# KiCad board panel.opm-inline.kicad_pcb (continued)
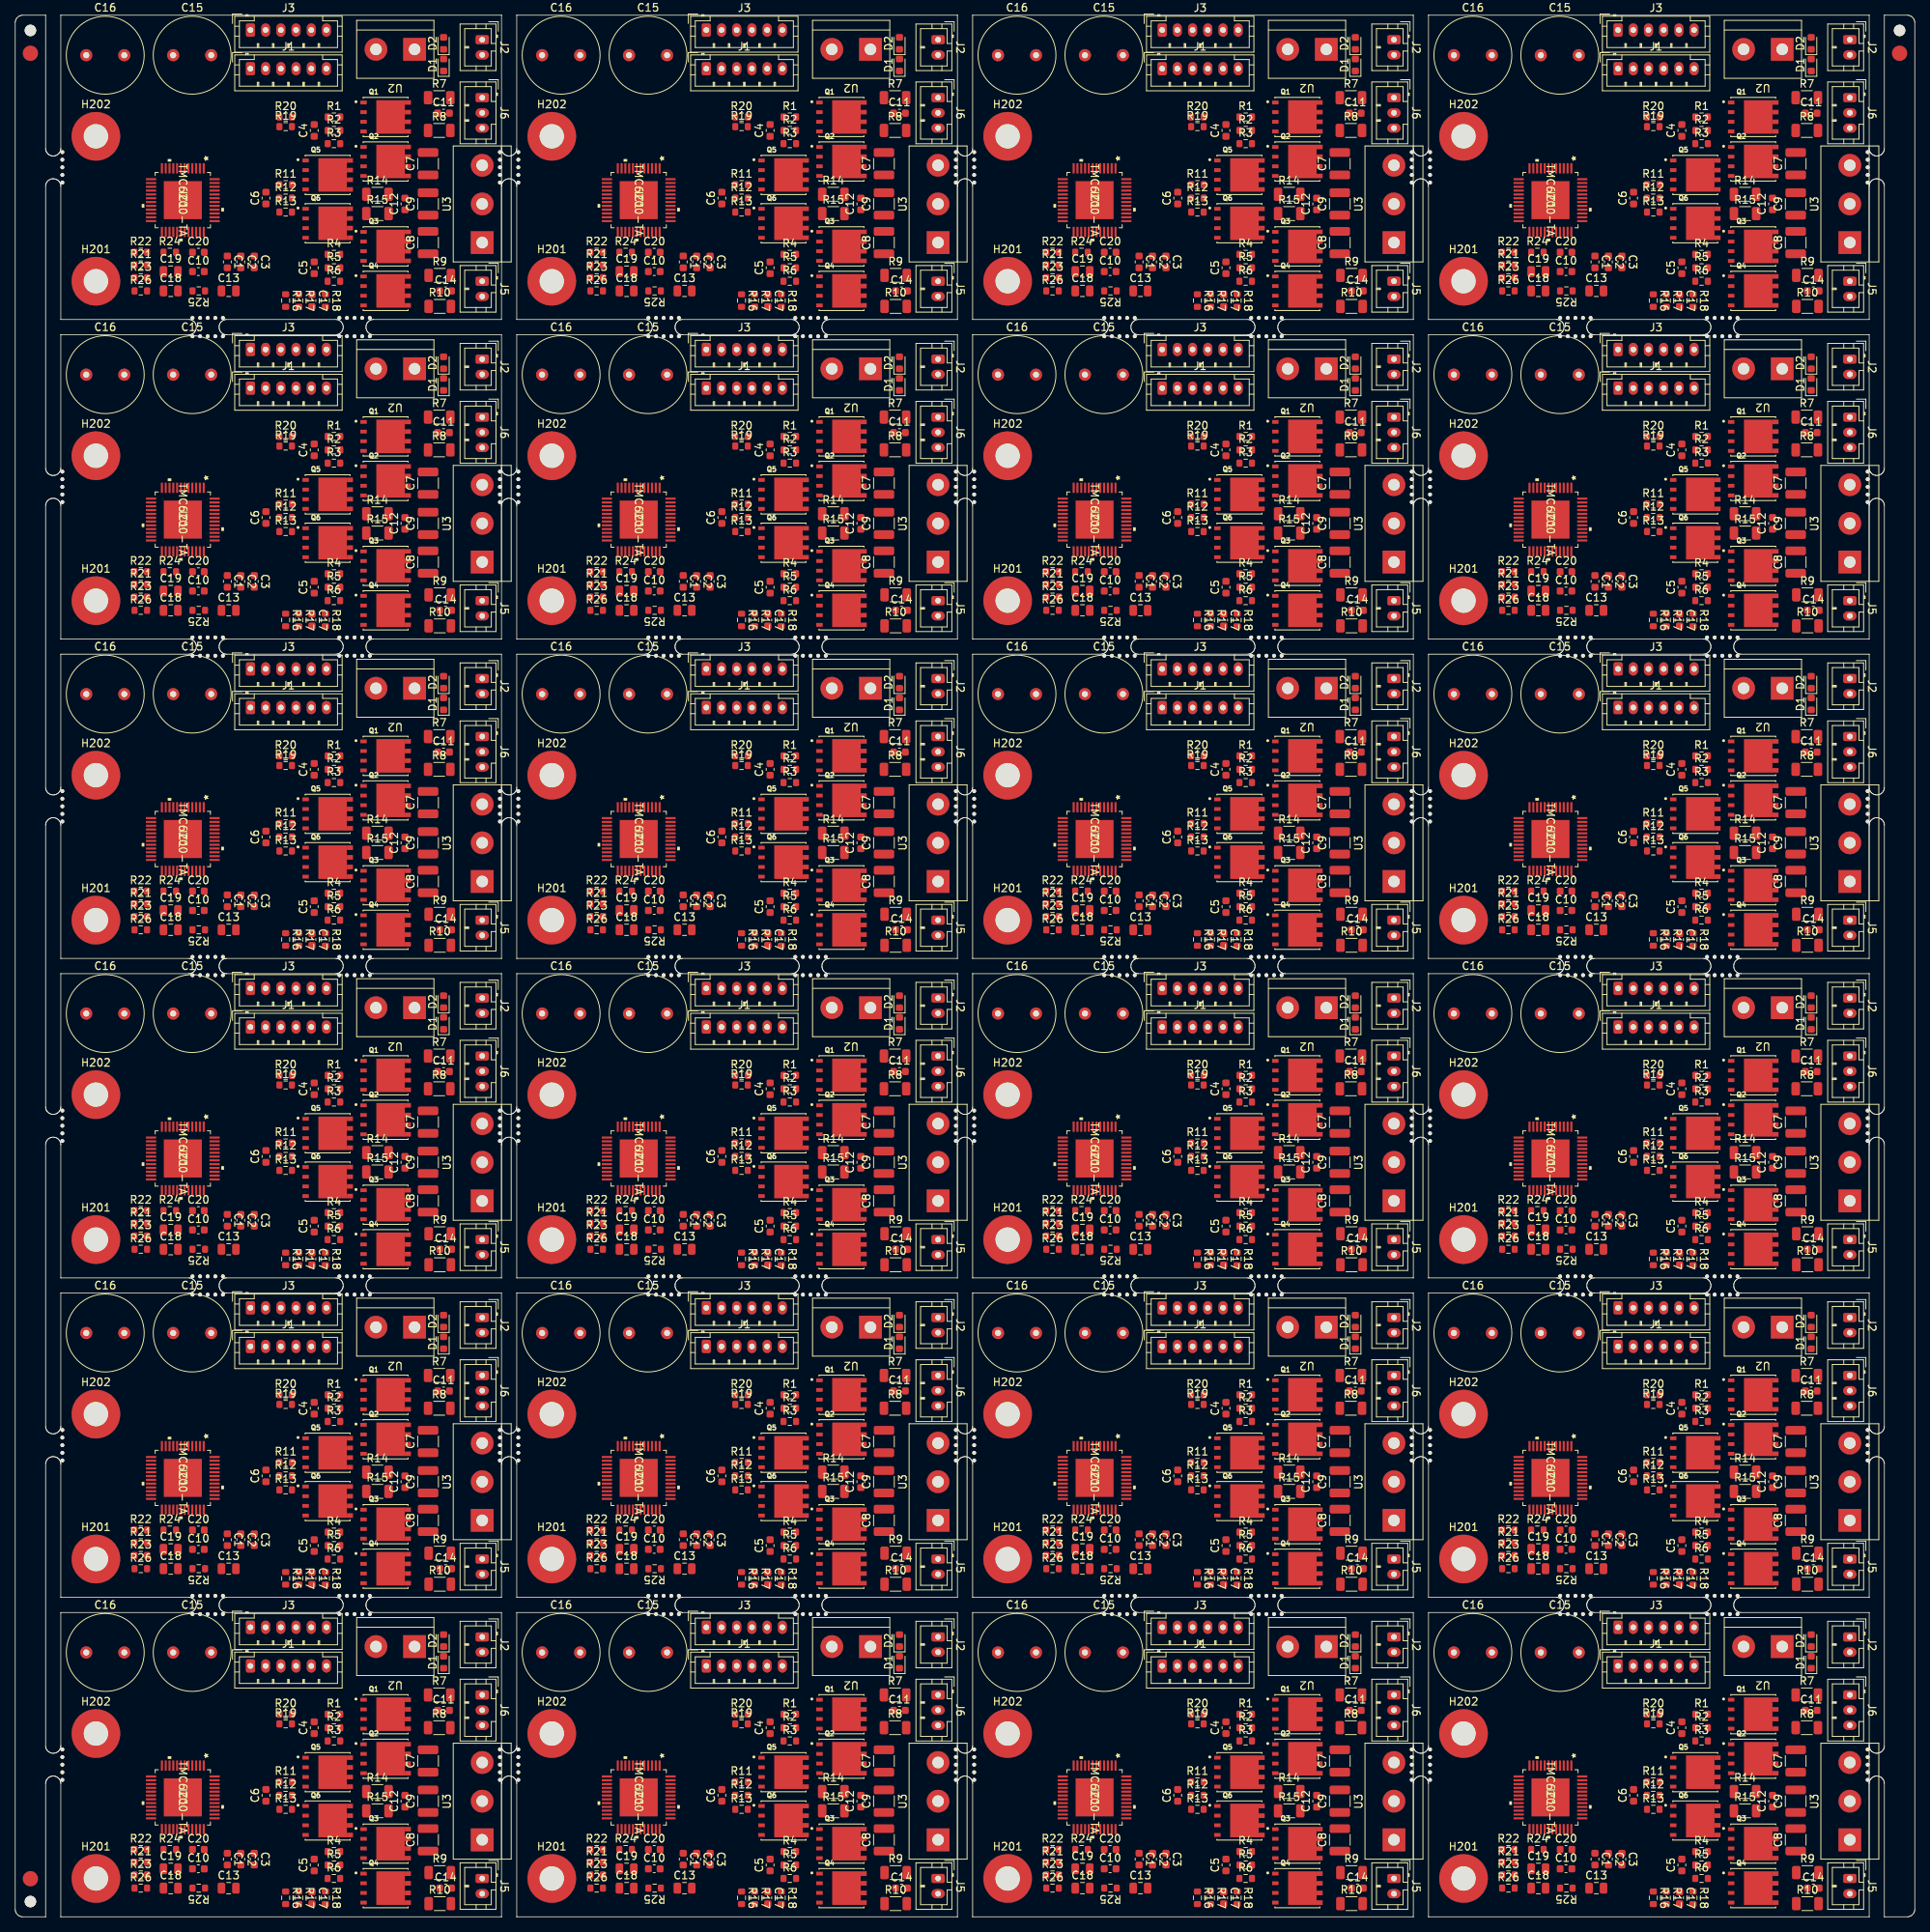
[diagram p0: board, top side]
## Nets (continued)
Board_7-Net-(Q3-Pad4): Q3#8.4 R4#8.1
Board_7-Net-(Q4-Pad4): Q4#8.4 R6#8.1
Board_7-Net-(Q5-Pad4): Q5#8.4 R11#8.1
Board_7-Net-(Q6-Pad4): Q6#8.4 R13#8.1
Board_7-Net-(R2-Pad1): R2#8.1 R7#8.1 R8#8.1
Board_7-Net-(R10-Pad1): R5#8.1 R9#8.1 R10#8.1
Board_7-Net-(R12-Pad1): R12#8.1 R14#8.1 R15#8.1
Board_7-Net-(R16-Pad1): R16#8.1
Board_7-Net-(R16-Pad2): R16#8.2 R17#8.1
Board_8-/+VM: C2#9.1 C3#9.1 C7#9.1 C8#9.1 C9#9.1 C15#9.1 C16#9.1 IC1#9.33 Q1#9.1 Q1#9.2 Q1#9.3 Q3#9.1 Q3#9.2 Q3#9.3 Q5#9.1 Q5#9.2 Q5#9.3 R25#9.2 U2#9.2
Board_8-/ADC_I_u: IC1#9.9 J6#9.1
Board_8-/ADC_I_v: J6#9.2
Board_8-/ADC_I_w: IC1#9.11 J6#9.3
Board_8-/Connevtors/Fault: R20#9.2
Board_8-/Connevtors/FAULT: J1#9.6
Board_8-/Connevtors/VOFS: R21#9.2 R22#9.1
Board_8-/DRV_EN: IC1#9.27 J1#9.5
Board_8-/Motor Driver/ADC_I_v: IC1#9.10
Board_8-/Motor Driver/VOFS: C10#9.1 IC1#9.12
Board_8-/SPE: IC1#9.25 R23#9.2 R24#9.1
Board_8-/SPI1_MISO: IC1#9.16 J1#9.4
Board_8-/SPI1_MOSI: IC1#9.15 J1#9.3
Board_8-/SPI1_SCK: IC1#9.14 J1#9.2
Board_8-/U: C14#9.1 U3#9.3
Board_8-/UH: IC1#9.17 J3#9.6
Board_8-/UL: IC1#9.18 J3#9.5
Board_8-/V: C12#9.1 U3#9.2
Board_8-/VH: IC1#9.20 J3#9.4
Board_8-/VL: IC1#9.21 J3#9.3
Board_8-/VSA: C18#9.1 IC1#9.29
Board_8-/W: C11#9.1 U3#9.1
Board_8-/WH: IC1#9.22 J3#9.2
Board_8-/WL: IC1#9.23 J3#9.1
Board_8-/~{CS_DRIVER}: IC1#9.13 J1#9.1
Board_8-GND: C3#9.2 C7#9.2 C8#9.2 C9#9.2 C10#9.2 C11#9.2 C12#9.2 C13#9.2 C14#9.2 C15#9.2 C16#9.2 C17#9.2 C18#9.2 C19#9.2 C20#9.2 D1#9.1 D2#9.1 H201#9.1 H202#9.1 IC1#9.8 IC1#9.EPAD J2#9.2 J5#9.2 Q2#9.5 Q2#9.6 Q2#9.7 Q2#9.8 Q4#9.5 Q4#9.6 Q4#9.7 Q4#9.8 Q6#9.5 Q6#9.6 Q6#9.7 Q6#9.8 R18#9.2 R22#9.2 R24#9.2 R26#9.2 U2#9.1
Board_8-Net-(C1-Pad1): C1#9.1 IC1#9.30
Board_8-Net-(C1-Pad2): C1#9.2 IC1#9.32
Board_8-Net-(C2-Pad2): C2#9.2 IC1#9.34
Board_8-Net-(C4-Pad1): C4#9.1 IC1#9.47 Q1#9.5 Q1#9.6 Q1#9.7 Q1#9.8 Q2#9.1 Q2#9.2 Q2#9.3 R7#9.2 R8#9.2
Board_8-Net-(C4-Pad2): C4#9.2 IC1#9.1
Board_8-Net-(C5-Pad1): C5#9.1 IC1#9.36
Board_8-Net-(C5-Pad2): C5#9.2 IC1#9.38 Q3#9.5 Q3#9.6 Q3#9.7 Q3#9.8 Q4#9.1 Q4#9.2 Q4#9.3 R9#9.2 R10#9.2
Board_8-Net-(C6-Pad1): C6#9.1 IC1#9.42 Q5#9.5 Q5#9.6 Q5#9.7 Q5#9.8 Q6#9.1 Q6#9.2 Q6#9.3 R14#9.2 R15#9.2
Board_8-Net-(C6-Pad2): C6#9.2 IC1#9.44
Board_8-Net-(C17-Pad1): C17#9.1 J5#9.1 R17#9.2 R18#9.1
Board_8-Net-(D1-Pad2): D1#9.2 R19#9.1
Board_8-Net-(D2-Pad2): D2#9.2 R20#9.1
Board_8-Net-(IC1-Pad3): IC1#9.3 R6#9.2
Board_8-Net-(IC1-Pad4): IC1#9.4 R13#9.2
Board_8-Net-(IC1-Pad5): IC1#9.5 R3#9.2
Board_8-Net-(IC1-Pad24): IC1#9.24 R26#9.1
Board_8-Net-(IC1-Pad26): IC1#9.26
Board_8-Net-(IC1-Pad37): IC1#9.37 R4#9.2
Board_8-Net-(IC1-Pad39): IC1#9.39 R5#9.2
Board_8-Net-(IC1-Pad41): IC1#9.41 R12#9.2
Board_8-Net-(IC1-Pad43): IC1#9.43 R11#9.2
Board_8-Net-(IC1-Pad46): IC1#9.46 R2#9.2
Board_8-Net-(IC1-Pad48): IC1#9.48 R1#9.2
Board_8-Net-(Q1-Pad4): Q1#9.4 R1#9.1
Board_8-Net-(Q2-Pad4): Q2#9.4 R3#9.1
Board_8-Net-(Q3-Pad4): Q3#9.4 R4#9.1
Board_8-Net-(Q4-Pad4): Q4#9.4 R6#9.1
Board_8-Net-(Q5-Pad4): Q5#9.4 R11#9.1
Board_8-Net-(Q6-Pad4): Q6#9.4 R13#9.1
Board_8-Net-(R2-Pad1): R2#9.1 R7#9.1 R8#9.1
Board_8-Net-(R10-Pad1): R5#9.1 R9#9.1 R10#9.1
Board_8-Net-(R12-Pad1): R12#9.1 R14#9.1 R15#9.1
Board_8-Net-(R16-Pad1): R16#9.1
Board_8-Net-(R16-Pad2): R16#9.2 R17#9.1
Board_9-/+VM: C2#10.1 C3#10.1 C7#10.1 C8#10.1 C9#10.1 C15#10.1 C16#10.1 IC1#10.33 Q1#10.1 Q1#10.2 Q1#10.3 Q3#10.1 Q3#10.2 Q3#10.3 Q5#10.1 Q5#10.2 Q5#10.3 R25#10.2 U2#10.2
Board_9-/ADC_I_u: IC1#10.9 J6#10.1
Board_9-/ADC_I_v: J6#10.2
Board_9-/ADC_I_w: IC1#10.11 J6#10.3
Board_9-/Connevtors/Fault: R20#10.2
Board_9-/Connevtors/FAULT: J1#10.6
Board_9-/Connevtors/VOFS: R21#10.2 R22#10.1
Board_9-/DRV_EN: IC1#10.27 J1#10.5
Board_9-/Motor Driver/ADC_I_v: IC1#10.10
Board_9-/Motor Driver/VOFS: C10#10.1 IC1#10.12
Board_9-/SPE: IC1#10.25 R23#10.2 R24#10.1
Board_9-/SPI1_MISO: IC1#10.16 J1#10.4
Board_9-/SPI1_MOSI: IC1#10.15 J1#10.3
Board_9-/SPI1_SCK: IC1#10.14 J1#10.2
Board_9-/U: C14#10.1 U3#10.3
Board_9-/UH: IC1#10.17 J3#10.6
Board_9-/UL: IC1#10.18 J3#10.5
Board_9-/V: C12#10.1 U3#10.2
Board_9-/VH: IC1#10.20 J3#10.4
Board_9-/VL: IC1#10.21 J3#10.3
Board_9-/VSA: C18#10.1 IC1#10.29
Board_9-/W: C11#10.1 U3#10.1
Board_9-/WH: IC1#10.22 J3#10.2
Board_9-/WL: IC1#10.23 J3#10.1
Board_9-/~{CS_DRIVER}: IC1#10.13 J1#10.1
Board_9-GND: C3#10.2 C7#10.2 C8#10.2 C9#10.2 C10#10.2 C11#10.2 C12#10.2 C13#10.2 C14#10.2 C15#10.2 C16#10.2 C17#10.2 C18#10.2 C19#10.2 C20#10.2 D1#10.1 D2#10.1 H201#10.1 H202#10.1 IC1#10.8 IC1#10.EPAD J2#10.2 J5#10.2 Q2#10.5 Q2#10.6 Q2#10.7 Q2#10.8 Q4#10.5 Q4#10.6 Q4#10.7 Q4#10.8 Q6#10.5 Q6#10.6 Q6#10.7 Q6#10.8 R18#10.2 R22#10.2 R24#10.2 R26#10.2 U2#10.1
Board_9-Net-(C1-Pad1): C1#10.1 IC1#10.30
Board_9-Net-(C1-Pad2): C1#10.2 IC1#10.32
Board_9-Net-(C2-Pad2): C2#10.2 IC1#10.34
Board_9-Net-(C4-Pad1): C4#10.1 IC1#10.47 Q1#10.5 Q1#10.6 Q1#10.7 Q1#10.8 Q2#10.1 Q2#10.2 Q2#10.3 R7#10.2 R8#10.2
Board_9-Net-(C4-Pad2): C4#10.2 IC1#10.1
Board_9-Net-(C5-Pad1): C5#10.1 IC1#10.36
Board_9-Net-(C5-Pad2): C5#10.2 IC1#10.38 Q3#10.5 Q3#10.6 Q3#10.7 Q3#10.8 Q4#10.1 Q4#10.2 Q4#10.3 R9#10.2 R10#10.2
Board_9-Net-(C6-Pad1): C6#10.1 IC1#10.42 Q5#10.5 Q5#10.6 Q5#10.7 Q5#10.8 Q6#10.1 Q6#10.2 Q6#10.3 R14#10.2 R15#10.2
Board_9-Net-(C6-Pad2): C6#10.2 IC1#10.44
Board_9-Net-(C17-Pad1): C17#10.1 J5#10.1 R17#10.2 R18#10.1
Board_9-Net-(D1-Pad2): D1#10.2 R19#10.1
Board_9-Net-(D2-Pad2): D2#10.2 R20#10.1
Board_9-Net-(IC1-Pad3): IC1#10.3 R6#10.2
Board_9-Net-(IC1-Pad4): IC1#10.4 R13#10.2
Board_9-Net-(IC1-Pad5): IC1#10.5 R3#10.2
Board_9-Net-(IC1-Pad24): IC1#10.24 R26#10.1
Board_9-Net-(IC1-Pad26): IC1#10.26
Board_9-Net-(IC1-Pad37): IC1#10.37 R4#10.2
Board_9-Net-(IC1-Pad39): IC1#10.39 R5#10.2
Board_9-Net-(IC1-Pad41): IC1#10.41 R12#10.2
Board_9-Net-(IC1-Pad43): IC1#10.43 R11#10.2
Board_9-Net-(IC1-Pad46): IC1#10.46 R2#10.2
Board_9-Net-(IC1-Pad48): IC1#10.48 R1#10.2
Board_9-Net-(Q1-Pad4): Q1#10.4 R1#10.1
Board_9-Net-(Q2-Pad4): Q2#10.4 R3#10.1
Board_9-Net-(Q3-Pad4): Q3#10.4 R4#10.1
Board_9-Net-(Q4-Pad4): Q4#10.4 R6#10.1
Board_9-Net-(Q5-Pad4): Q5#10.4 R11#10.1
Board_9-Net-(Q6-Pad4): Q6#10.4 R13#10.1
Board_9-Net-(R2-Pad1): R2#10.1 R7#10.1 R8#10.1
Board_9-Net-(R10-Pad1): R5#10.1 R9#10.1 R10#10.1
Board_9-Net-(R12-Pad1): R12#10.1 R14#10.1 R15#10.1
Board_9-Net-(R16-Pad1): R16#10.1
Board_9-Net-(R16-Pad2): R16#10.2 R17#10.1
Board_10-/+VM: C2#11.1 C3#11.1 C7#11.1 C8#11.1 C9#11.1 C15#11.1 C16#11.1 IC1#11.33 Q1#11.1 Q1#11.2 Q1#11.3 Q3#11.1 Q3#11.2 Q3#11.3 Q5#11.1 Q5#11.2 Q5#11.3 R25#11.2 U2#11.2
Board_10-/ADC_I_u: IC1#11.9 J6#11.1
Board_10-/ADC_I_v: J6#11.2
Board_10-/ADC_I_w: IC1#11.11 J6#11.3
Board_10-/Connevtors/Fault: R20#11.2
Board_10-/Connevtors/FAULT: J1#11.6
Board_10-/Connevtors/VOFS: R21#11.2 R22#11.1
Board_10-/DRV_EN: IC1#11.27 J1#11.5
Board_10-/Motor Driver/ADC_I_v: IC1#11.10
Board_10-/Motor Driver/VOFS: C10#11.1 IC1#11.12
Board_10-/SPE: IC1#11.25 R23#11.2 R24#11.1
Board_10-/SPI1_MISO: IC1#11.16 J1#11.4
Board_10-/SPI1_MOSI: IC1#11.15 J1#11.3
Board_10-/SPI1_SCK: IC1#11.14 J1#11.2
Board_10-/U: C14#11.1 U3#11.3
Board_10-/UH: IC1#11.17 J3#11.6
Board_10-/UL: IC1#11.18 J3#11.5
Board_10-/V: C12#11.1 U3#11.2
Board_10-/VH: IC1#11.20 J3#11.4
Board_10-/VL: IC1#11.21 J3#11.3
Board_10-/VSA: C18#11.1 IC1#11.29
Board_10-/W: C11#11.1 U3#11.1
Board_10-/WH: IC1#11.22 J3#11.2
Board_10-/WL: IC1#11.23 J3#11.1
Board_10-/~{CS_DRIVER}: IC1#11.13 J1#11.1
Board_10-GND: C3#11.2 C7#11.2 C8#11.2 C9#11.2 C10#11.2 C11#11.2 C12#11.2 C13#11.2 C14#11.2 C15#11.2 C16#11.2 C17#11.2 C18#11.2 C19#11.2 C20#11.2 D1#11.1 D2#11.1 H201#11.1 H202#11.1 IC1#11.8 IC1#11.EPAD J2#11.2 J5#11.2 Q2#11.5 Q2#11.6 Q2#11.7 Q2#11.8 Q4#11.5 Q4#11.6 Q4#11.7 Q4#11.8 Q6#11.5 Q6#11.6 Q6#11.7 Q6#11.8 R18#11.2 R22#11.2 R24#11.2 R26#11.2 U2#11.1
Board_10-Net-(C1-Pad1): C1#11.1 IC1#11.30
Board_10-Net-(C1-Pad2): C1#11.2 IC1#11.32
Board_10-Net-(C2-Pad2): C2#11.2 IC1#11.34
Board_10-Net-(C4-Pad1): C4#11.1 IC1#11.47 Q1#11.5 Q1#11.6 Q1#11.7 Q1#11.8 Q2#11.1 Q2#11.2 Q2#11.3 R7#11.2 R8#11.2
Board_10-Net-(C4-Pad2): C4#11.2 IC1#11.1
Board_10-Net-(C5-Pad1): C5#11.1 IC1#11.36
Board_10-Net-(C5-Pad2): C5#11.2 IC1#11.38 Q3#11.5 Q3#11.6 Q3#11.7 Q3#11.8 Q4#11.1 Q4#11.2 Q4#11.3 R9#11.2 R10#11.2
Board_10-Net-(C6-Pad1): C6#11.1 IC1#11.42 Q5#11.5 Q5#11.6 Q5#11.7 Q5#11.8 Q6#11.1 Q6#11.2 Q6#11.3 R14#11.2 R15#11.2
Board_10-Net-(C6-Pad2): C6#11.2 IC1#11.44
Board_10-Net-(C17-Pad1): C17#11.1 J5#11.1 R17#11.2 R18#11.1
Board_10-Net-(D1-Pad2): D1#11.2 R19#11.1
Board_10-Net-(D2-Pad2): D2#11.2 R20#11.1
Board_10-Net-(IC1-Pad3): IC1#11.3 R6#11.2
Board_10-Net-(IC1-Pad4): IC1#11.4 R13#11.2
Board_10-Net-(IC1-Pad5): IC1#11.5 R3#11.2
Board_10-Net-(IC1-Pad24): IC1#11.24 R26#11.1
Board_10-Net-(IC1-Pad26): IC1#11.26
Board_10-Net-(IC1-Pad37): IC1#11.37 R4#11.2
Board_10-Net-(IC1-Pad39): IC1#11.39 R5#11.2
Board_10-Net-(IC1-Pad41): IC1#11.41 R12#11.2
Board_10-Net-(IC1-Pad43): IC1#11.43 R11#11.2
Board_10-Net-(IC1-Pad46): IC1#11.46 R2#11.2
Board_10-Net-(IC1-Pad48): IC1#11.48 R1#11.2
Board_10-Net-(Q1-Pad4): Q1#11.4 R1#11.1
Board_10-Net-(Q2-Pad4): Q2#11.4 R3#11.1
Board_10-Net-(Q3-Pad4): Q3#11.4 R4#11.1
Board_10-Net-(Q4-Pad4): Q4#11.4 R6#11.1
Board_10-Net-(Q5-Pad4): Q5#11.4 R11#11.1
Board_10-Net-(Q6-Pad4): Q6#11.4 R13#11.1
Board_10-Net-(R2-Pad1): R2#11.1 R7#11.1 R8#11.1
Board_10-Net-(R10-Pad1): R5#11.1 R9#11.1 R10#11.1
Board_10-Net-(R12-Pad1): R12#11.1 R14#11.1 R15#11.1
Board_10-Net-(R16-Pad1): R16#11.1
Board_10-Net-(R16-Pad2): R16#11.2 R17#11.1
Board_11-/+VM: C2#12.1 C3#12.1 C7#12.1 C8#12.1 C9#12.1 C15#12.1 C16#12.1 IC1#12.33 Q1#12.1 Q1#12.2 Q1#12.3 Q3#12.1 Q3#12.2 Q3#12.3 Q5#12.1 Q5#12.2 Q5#12.3 R25#12.2 U2#12.2
Board_11-/ADC_I_u: IC1#12.9 J6#12.1
Board_11-/ADC_I_v: J6#12.2
Board_11-/ADC_I_w: IC1#12.11 J6#12.3
Board_11-/Connevtors/Fault: R20#12.2
Board_11-/Connevtors/FAULT: J1#12.6
Board_11-/Connevtors/VOFS: R21#12.2 R22#12.1
Board_11-/DRV_EN: IC1#12.27 J1#12.5
Board_11-/Motor Driver/ADC_I_v: IC1#12.10
Board_11-/Motor Driver/VOFS: C10#12.1 IC1#12.12
Board_11-/SPE: IC1#12.25 R23#12.2 R24#12.1
Board_11-/SPI1_MISO: IC1#12.16 J1#12.4
Board_11-/SPI1_MOSI: IC1#12.15 J1#12.3
Board_11-/SPI1_SCK: IC1#12.14 J1#12.2
Board_11-/U: C14#12.1 U3#12.3
Board_11-/UH: IC1#12.17 J3#12.6
Board_11-/UL: IC1#12.18 J3#12.5
Board_11-/V: C12#12.1 U3#12.2
Board_11-/VH: IC1#12.20 J3#12.4
Board_11-/VL: IC1#12.21 J3#12.3
Board_11-/VSA: C18#12.1 IC1#12.29
Board_11-/W: C11#12.1 U3#12.1
Board_11-/WH: IC1#12.22 J3#12.2
Board_11-/WL: IC1#12.23 J3#12.1
Board_11-/~{CS_DRIVER}: IC1#12.13 J1#12.1
Board_11-GND: C3#12.2 C7#12.2 C8#12.2 C9#12.2 C10#12.2 C11#12.2 C12#12.2 C13#12.2 C14#12.2 C15#12.2 C16#12.2 C17#12.2 C18#12.2 C19#12.2 C20#12.2 D1#12.1 D2#12.1 H201#12.1 H202#12.1 IC1#12.8 IC1#12.EPAD J2#12.2 J5#12.2 Q2#12.5 Q2#12.6 Q2#12.7 Q2#12.8 Q4#12.5 Q4#12.6 Q4#12.7 Q4#12.8 Q6#12.5 Q6#12.6 Q6#12.7 Q6#12.8 R18#12.2 R22#12.2 R24#12.2 R26#12.2 U2#12.1
Board_11-Net-(C1-Pad1): C1#12.1 IC1#12.30
Board_11-Net-(C1-Pad2): C1#12.2 IC1#12.32
Board_11-Net-(C2-Pad2): C2#12.2 IC1#12.34
Board_11-Net-(C4-Pad1): C4#12.1 IC1#12.47 Q1#12.5 Q1#12.6 Q1#12.7 Q1#12.8 Q2#12.1 Q2#12.2 Q2#12.3 R7#12.2 R8#12.2
Board_11-Net-(C4-Pad2): C4#12.2 IC1#12.1
Board_11-Net-(C5-Pad1): C5#12.1 IC1#12.36
Board_11-Net-(C5-Pad2): C5#12.2 IC1#12.38 Q3#12.5 Q3#12.6 Q3#12.7 Q3#12.8 Q4#12.1 Q4#12.2 Q4#12.3 R9#12.2 R10#12.2
Board_11-Net-(C6-Pad1): C6#12.1 IC1#12.42 Q5#12.5 Q5#12.6 Q5#12.7 Q5#12.8 Q6#12.1 Q6#12.2 Q6#12.3 R14#12.2 R15#12.2
Board_11-Net-(C6-Pad2): C6#12.2 IC1#12.44
Board_11-Net-(C17-Pad1): C17#12.1 J5#12.1 R17#12.2 R18#12.1
Board_11-Net-(D1-Pad2): D1#12.2 R19#12.1
Board_11-Net-(D2-Pad2): D2#12.2 R20#12.1
Board_11-Net-(IC1-Pad3): IC1#12.3 R6#12.2
Board_11-Net-(IC1-Pad4): IC1#12.4 R13#12.2
Board_11-Net-(IC1-Pad5): IC1#12.5 R3#12.2
Board_11-Net-(IC1-Pad24): IC1#12.24 R26#12.1
Board_11-Net-(IC1-Pad26): IC1#12.26
Board_11-Net-(IC1-Pad37): IC1#12.37 R4#12.2
Board_11-Net-(IC1-Pad39): IC1#12.39 R5#12.2
Board_11-Net-(IC1-Pad41): IC1#12.41 R12#12.2
Board_11-Net-(IC1-Pad43): IC1#12.43 R11#12.2
Board_11-Net-(IC1-Pad46): IC1#12.46 R2#12.2
Board_11-Net-(IC1-Pad48): IC1#12.48 R1#12.2
Board_11-Net-(Q1-Pad4): Q1#12.4 R1#12.1
Board_11-Net-(Q2-Pad4): Q2#12.4 R3#12.1
Board_11-Net-(Q3-Pad4): Q3#12.4 R4#12.1
Board_11-Net-(Q4-Pad4): Q4#12.4 R6#12.1
Board_11-Net-(Q5-Pad4): Q5#12.4 R11#12.1
Board_11-Net-(Q6-Pad4): Q6#12.4 R13#12.1
Board_11-Net-(R2-Pad1): R2#12.1 R7#12.1 R8#12.1
Board_11-Net-(R10-Pad1): R5#12.1 R9#12.1 R10#12.1
Board_11-Net-(R12-Pad1): R12#12.1 R14#12.1 R15#12.1
Board_11-Net-(R16-Pad1): R16#12.1
Board_11-Net-(R16-Pad2): R16#12.2 R17#12.1
Board_12-/+VM: C2#13.1 C3#13.1 C7#13.1 C8#13.1 C9#13.1 C15#13.1 C16#13.1 IC1#13.33 Q1#13.1 Q1#13.2 Q1#13.3 Q3#13.1 Q3#13.2 Q3#13.3 Q5#13.1 Q5#13.2 Q5#13.3 R25#13.2 U2#13.2
Board_12-/ADC_I_u: IC1#13.9 J6#13.1
Board_12-/ADC_I_v: J6#13.2
Board_12-/ADC_I_w: IC1#13.11 J6#13.3
Board_12-/Connevtors/Fault: R20#13.2
Board_12-/Connevtors/FAULT: J1#13.6
Board_12-/Connevtors/VOFS: R21#13.2 R22#13.1
Board_12-/DRV_EN: IC1#13.27 J1#13.5
Board_12-/Motor Driver/ADC_I_v: IC1#13.10
Board_12-/Motor Driver/VOFS: C10#13.1 IC1#13.12
Board_12-/SPE: IC1#13.25 R23#13.2 R24#13.1
Board_12-/SPI1_MISO: IC1#13.16 J1#13.4
Board_12-/SPI1_MOSI: IC1#13.15 J1#13.3
Board_12-/SPI1_SCK: IC1#13.14 J1#13.2
Board_12-/U: C14#13.1 U3#13.3
Board_12-/UH: IC1#13.17 J3#13.6
Board_12-/UL: IC1#13.18 J3#13.5
Board_12-/V: C12#13.1 U3#13.2
Board_12-/VH: IC1#13.20 J3#13.4
Board_12-/VL: IC1#13.21 J3#13.3
Board_12-/VSA: C18#13.1 IC1#13.29
Board_12-/W: C11#13.1 U3#13.1
Board_12-/WH: IC1#13.22 J3#13.2
Board_12-/WL: IC1#13.23 J3#13.1
Board_12-/~{CS_DRIVER}: IC1#13.13 J1#13.1
Board_12-GND: C3#13.2 C7#13.2 C8#13.2 C9#13.2 C10#13.2 C11#13.2 C12#13.2 C13#13.2 C14#13.2 C15#13.2 C16#13.2 C17#13.2 C18#13.2 C19#13.2 C20#13.2 D1#13.1 D2#13.1 H201#13.1 H202#13.1 IC1#13.8 IC1#13.EPAD J2#13.2 J5#13.2 Q2#13.5 Q2#13.6 Q2#13.7 Q2#13.8 Q4#13.5 Q4#13.6 Q4#13.7 Q4#13.8 Q6#13.5 Q6#13.6 Q6#13.7 Q6#13.8 R18#13.2 R22#13.2 R24#13.2 R26#13.2 U2#13.1
Board_12-Net-(C1-Pad1): C1#13.1 IC1#13.30
Board_12-Net-(C1-Pad2): C1#13.2 IC1#13.32
Board_12-Net-(C2-Pad2): C2#13.2 IC1#13.34
Board_12-Net-(C4-Pad1): C4#13.1 IC1#13.47 Q1#13.5 Q1#13.6 Q1#13.7 Q1#13.8 Q2#13.1 Q2#13.2 Q2#13.3 R7#13.2 R8#13.2
Board_12-Net-(C4-Pad2): C4#13.2 IC1#13.1
Board_12-Net-(C5-Pad1): C5#13.1 IC1#13.36
Board_12-Net-(C5-Pad2): C5#13.2 IC1#13.38 Q3#13.5 Q3#13.6 Q3#13.7 Q3#13.8 Q4#13.1 Q4#13.2 Q4#13.3 R9#13.2 R10#13.2
Board_12-Net-(C6-Pad1): C6#13.1 IC1#13.42 Q5#13.5 Q5#13.6 Q5#13.7 Q5#13.8 Q6#13.1 Q6#13.2 Q6#13.3 R14#13.2 R15#13.2
Board_12-Net-(C6-Pad2): C6#13.2 IC1#13.44
Board_12-Net-(C17-Pad1): C17#13.1 J5#13.1 R17#13.2 R18#13.1
Board_12-Net-(D1-Pad2): D1#13.2 R19#13.1
Board_12-Net-(D2-Pad2): D2#13.2 R20#13.1
Board_12-Net-(IC1-Pad3): IC1#13.3 R6#13.2
Board_12-Net-(IC1-Pad4): IC1#13.4 R13#13.2
Board_12-Net-(IC1-Pad5): IC1#13.5 R3#13.2
Board_12-Net-(IC1-Pad24): IC1#13.24 R26#13.1
Board_12-Net-(IC1-Pad26): IC1#13.26
Board_12-Net-(IC1-Pad37): IC1#13.37 R4#13.2
Board_12-Net-(IC1-Pad39): IC1#13.39 R5#13.2
Board_12-Net-(IC1-Pad41): IC1#13.41 R12#13.2
Board_12-Net-(IC1-Pad43): IC1#13.43 R11#13.2
Board_12-Net-(IC1-Pad46): IC1#13.46 R2#13.2
Board_12-Net-(IC1-Pad48): IC1#13.48 R1#13.2
Board_12-Net-(Q1-Pad4): Q1#13.4 R1#13.1
Board_12-Net-(Q2-Pad4): Q2#13.4 R3#13.1
Board_12-Net-(Q3-Pad4): Q3#13.4 R4#13.1
Board_12-Net-(Q4-Pad4): Q4#13.4 R6#13.1
Board_12-Net-(Q5-Pad4): Q5#13.4 R11#13.1
Board_12-Net-(Q6-Pad4): Q6#13.4 R13#13.1
Board_12-Net-(R2-Pad1): R2#13.1 R7#13.1 R8#13.1
Board_12-Net-(R10-Pad1): R5#13.1 R9#13.1 R10#13.1
Board_12-Net-(R12-Pad1): R12#13.1 R14#13.1 R15#13.1
Board_12-Net-(R16-Pad1): R16#13.1
Board_12-Net-(R16-Pad2): R16#13.2 R17#13.1
Board_13-/+VM: C2#14.1 C3#14.1 C7#14.1 C8#14.1 C9#14.1 C15#14.1 C16#14.1 IC1#14.33 Q1#14.1 Q1#14.2 Q1#14.3 Q3#14.1 Q3#14.2 Q3#14.3 Q5#14.1 Q5#14.2 Q5#14.3 R25#14.2 U2#14.2
Board_13-/ADC_I_u: IC1#14.9 J6#14.1
Board_13-/ADC_I_v: J6#14.2
Board_13-/ADC_I_w: IC1#14.11 J6#14.3
Board_13-/Connevtors/Fault: R20#14.2
Board_13-/Connevtors/FAULT: J1#14.6
Board_13-/Connevtors/VOFS: R21#14.2 R22#14.1
Board_13-/DRV_EN: IC1#14.27 J1#14.5
Board_13-/Motor Driver/ADC_I_v: IC1#14.10
Board_13-/Motor Driver/VOFS: C10#14.1 IC1#14.12
Board_13-/SPE: IC1#14.25 R23#14.2 R24#14.1
Board_13-/SPI1_MISO: IC1#14.16 J1#14.4
Board_13-/SPI1_MOSI: IC1#14.15 J1#14.3
Board_13-/SPI1_SCK: IC1#14.14 J1#14.2
Board_13-/U: C14#14.1 U3#14.3
Board_13-/UH: IC1#14.17 J3#14.6
Board_13-/UL: IC1#14.18 J3#14.5
Board_13-/V: C12#14.1 U3#14.2
Board_13-/VH: IC1#14.20 J3#14.4
Board_13-/VL: IC1#14.21 J3#14.3
Board_13-/VSA: C18#14.1 IC1#14.29
Board_13-/W: C11#14.1 U3#14.1
Board_13-/WH: IC1#14.22 J3#14.2
Board_13-/WL: IC1#14.23 J3#14.1
Board_13-/~{CS_DRIVER}: IC1#14.13 J1#14.1
Board_13-GND: C3#14.2 C7#14.2 C8#14.2 C9#14.2 C10#14.2 C11#14.2 C12#14.2 C13#14.2 C14#14.2 C15#14.2 C16#14.2 C17#14.2 C18#14.2 C19#14.2 C20#14.2 D1#14.1 D2#14.1 H201#14.1 H202#14.1 IC1#14.8 IC1#14.EPAD J2#14.2 J5#14.2 Q2#14.5 Q2#14.6 Q2#14.7 Q2#14.8 Q4#14.5 Q4#14.6 Q4#14.7 Q4#14.8 Q6#14.5 Q6#14.6 Q6#14.7 Q6#14.8 R18#14.2 R22#14.2 R24#14.2 R26#14.2 U2#14.1
Board_13-Net-(C1-Pad1): C1#14.1 IC1#14.30
Board_13-Net-(C1-Pad2): C1#14.2 IC1#14.32
Board_13-Net-(C2-Pad2): C2#14.2 IC1#14.34
Board_13-Net-(C4-Pad1): C4#14.1 IC1#14.47 Q1#14.5 Q1#14.6 Q1#14.7 Q1#14.8 Q2#14.1 Q2#14.2 Q2#14.3 R7#14.2 R8#14.2
Board_13-Net-(C4-Pad2): C4#14.2 IC1#14.1
Board_13-Net-(C5-Pad1): C5#14.1 IC1#14.36
Board_13-Net-(C5-Pad2): C5#14.2 IC1#14.38 Q3#14.5 Q3#14.6 Q3#14.7 Q3#14.8 Q4#14.1 Q4#14.2 Q4#14.3 R9#14.2 R10#14.2
Board_13-Net-(C6-Pad1): C6#14.1 IC1#14.42 Q5#14.5 Q5#14.6 Q5#14.7 Q5#14.8 Q6#14.1 Q6#14.2 Q6#14.3 R14#14.2 R15#14.2
Board_13-Net-(C6-Pad2): C6#14.2 IC1#14.44
Board_13-Net-(C17-Pad1): C17#14.1 J5#14.1 R17#14.2 R18#14.1
Board_13-Net-(D1-Pad2): D1#14.2 R19#14.1
Board_13-Net-(D2-Pad2): D2#14.2 R20#14.1
Board_13-Net-(IC1-Pad3): IC1#14.3 R6#14.2
Board_13-Net-(IC1-Pad4): IC1#14.4 R13#14.2
Board_13-Net-(IC1-Pad5): IC1#14.5 R3#14.2
Board_13-Net-(IC1-Pad24): IC1#14.24 R26#14.1
Board_13-Net-(IC1-Pad26): IC1#14.26
Board_13-Net-(IC1-Pad37): IC1#14.37 R4#14.2
Board_13-Net-(IC1-Pad39): IC1#14.39 R5#14.2
Board_13-Net-(IC1-Pad41): IC1#14.41 R12#14.2
Board_13-Net-(IC1-Pad43): IC1#14.43 R11#14.2
Board_13-Net-(IC1-Pad46): IC1#14.46 R2#14.2
Board_13-Net-(IC1-Pad48): IC1#14.48 R1#14.2
Board_13-Net-(Q1-Pad4): Q1#14.4 R1#14.1
Board_13-Net-(Q2-Pad4): Q2#14.4 R3#14.1
Board_13-Net-(Q3-Pad4): Q3#14.4 R4#14.1
Board_13-Net-(Q4-Pad4): Q4#14.4 R6#14.1
Board_13-Net-(Q5-Pad4): Q5#14.4 R11#14.1
Board_13-Net-(Q6-Pad4): Q6#14.4 R13#14.1
Board_13-Net-(R2-Pad1): R2#14.1 R7#14.1 R8#14.1
Board_13-Net-(R10-Pad1): R5#14.1 R9#14.1 R10#14.1
Board_13-Net-(R12-Pad1): R12#14.1 R14#14.1 R15#14.1
Board_13-Net-(R16-Pad1): R16#14.1
Board_13-Net-(R16-Pad2): R16#14.2 R17#14.1
Board_14-/+VM: C2#15.1 C3#15.1 C7#15.1 C8#15.1 C9#15.1 C15#15.1 C16#15.1 IC1#15.33 Q1#15.1 Q1#15.2 Q1#15.3 Q3#15.1 Q3#15.2 Q3#15.3 Q5#15.1 Q5#15.2 Q5#15.3 R25#15.2 U2#15.2
Board_14-/ADC_I_u: IC1#15.9 J6#15.1
Board_14-/ADC_I_v: J6#15.2
Board_14-/ADC_I_w: IC1#15.11 J6#15.3
Board_14-/Connevtors/Fault: R20#15.2
Board_14-/Connevtors/FAULT: J1#15.6
Board_14-/Connevtors/VOFS: R21#15.2 R22#15.1
Board_14-/DRV_EN: IC1#15.27 J1#15.5
Board_14-/Motor Driver/ADC_I_v: IC1#15.10
Board_14-/Motor Driver/VOFS: C10#15.1 IC1#15.12
Board_14-/SPE: IC1#15.25 R23#15.2 R24#15.1
Board_14-/SPI1_MISO: IC1#15.16 J1#15.4
Board_14-/SPI1_MOSI: IC1#15.15 J1#15.3
Board_14-/SPI1_SCK: IC1#15.14 J1#15.2
Board_14-/U: C14#15.1 U3#15.3
Board_14-/UH: IC1#15.17 J3#15.6
Board_14-/UL: IC1#15.18 J3#15.5
Board_14-/V: C12#15.1 U3#15.2
Board_14-/VH: IC1#15.20 J3#15.4
Board_14-/VL: IC1#15.21 J3#15.3
Board_14-/VSA: C18#15.1 IC1#15.29
Board_14-/W: C11#15.1 U3#15.1
Board_14-/WH: IC1#15.22 J3#15.2
Board_14-/WL: IC1#15.23 J3#15.1
Board_14-/~{CS_DRIVER}: IC1#15.13 J1#15.1
Board_14-GND: C3#15.2 C7#15.2 C8#15.2 C9#15.2 C10#15.2 C11#15.2 C12#15.2 C13#15.2 C14#15.2 C15#15.2 C16#15.2 C17#15.2 C18#15.2 C19#15.2 C20#15.2 D1#15.1 D2#15.1 H201#15.1 H202#15.1 IC1#15.8 IC1#15.EPAD J2#15.2 J5#15.2 Q2#15.5 Q2#15.6 Q2#15.7 Q2#15.8 Q4#15.5 Q4#15.6 Q4#15.7 Q4#15.8 Q6#15.5 Q6#15.6 Q6#15.7 Q6#15.8 R18#15.2 R22#15.2 R24#15.2 R26#15.2 U2#15.1
Board_14-Net-(C1-Pad1): C1#15.1 IC1#15.30
Board_14-Net-(C1-Pad2): C1#15.2 IC1#15.32
Board_14-Net-(C2-Pad2): C2#15.2 IC1#15.34
Board_14-Net-(C4-Pad1): C4#15.1 IC1#15.47 Q1#15.5 Q1#15.6 Q1#15.7 Q1#15.8 Q2#15.1 Q2#15.2 Q2#15.3 R7#15.2 R8#15.2
Board_14-Net-(C4-Pad2): C4#15.2 IC1#15.1
Board_14-Net-(C5-Pad1): C5#15.1 IC1#15.36
Board_14-Net-(C5-Pad2): C5#15.2 IC1#15.38 Q3#15.5 Q3#15.6 Q3#15.7 Q3#15.8 Q4#15.1 Q4#15.2 Q4#15.3 R9#15.2 R10#15.2
Board_14-Net-(C6-Pad1): C6#15.1 IC1#15.42 Q5#15.5 Q5#15.6 Q5#15.7 Q5#15.8 Q6#15.1 Q6#15.2 Q6#15.3 R14#15.2 R15#15.2
Board_14-Net-(C6-Pad2): C6#15.2 IC1#15.44
Board_14-Net-(C17-Pad1): C17#15.1 J5#15.1 R17#15.2 R18#15.1
Board_14-Net-(D1-Pad2): D1#15.2 R19#15.1
Board_14-Net-(D2-Pad2): D2#15.2 R20#15.1
Board_14-Net-(IC1-Pad3): IC1#15.3 R6#15.2
Board_14-Net-(IC1-Pad4): IC1#15.4 R13#15.2
Board_14-Net-(IC1-Pad5): IC1#15.5 R3#15.2
Board_14-Net-(IC1-Pad24): IC1#15.24 R26#15.1
Board_14-Net-(IC1-Pad26): IC1#15.26
Board_14-Net-(IC1-Pad37): IC1#15.37 R4#15.2
Board_14-Net-(IC1-Pad39): IC1#15.39 R5#15.2
Board_14-Net-(IC1-Pad41): IC1#15.41 R12#15.2
Board_14-Net-(IC1-Pad43): IC1#15.43 R11#15.2
Board_14-Net-(IC1-Pad46): IC1#15.46 R2#15.2
Board_14-Net-(IC1-Pad48): IC1#15.48 R1#15.2
Board_14-Net-(Q1-Pad4): Q1#15.4 R1#15.1
Board_14-Net-(Q2-Pad4): Q2#15.4 R3#15.1
Board_14-Net-(Q3-Pad4): Q3#15.4 R4#15.1
Board_14-Net-(Q4-Pad4): Q4#15.4 R6#15.1
Board_14-Net-(Q5-Pad4): Q5#15.4 R11#15.1
Board_14-Net-(Q6-Pad4): Q6#15.4 R13#15.1
Board_14-Net-(R2-Pad1): R2#15.1 R7#15.1 R8#15.1
Board_14-Net-(R10-Pad1): R5#15.1 R9#15.1 R10#15.1
Board_14-Net-(R12-Pad1): R12#15.1 R14#15.1 R15#15.1
Board_14-Net-(R16-Pad1): R16#15.1
Board_14-Net-(R16-Pad2): R16#15.2 R17#15.1
Board_15-/+VM: C2#16.1 C3#16.1 C7#16.1 C8#16.1 C9#16.1 C15#16.1 C16#16.1 IC1#16.33 Q1#16.1 Q1#16.2 Q1#16.3 Q3#16.1 Q3#16.2 Q3#16.3 Q5#16.1 Q5#16.2 Q5#16.3 R25#16.2 U2#16.2
Board_15-/ADC_I_u: IC1#16.9 J6#16.1
Board_15-/ADC_I_v: J6#16.2
Board_15-/ADC_I_w: IC1#16.11 J6#16.3
Board_15-/Connevtors/Fault: R20#16.2
Board_15-/Connevtors/FAULT: J1#16.6
Board_15-/Connevtors/VOFS: R21#16.2 R22#16.1
Board_15-/DRV_EN: IC1#16.27 J1#16.5
Board_15-/Motor Driver/ADC_I_v: IC1#16.10
Board_15-/Motor Driver/VOFS: C10#16.1 IC1#16.12
Board_15-/SPE: IC1#16.25 R23#16.2 R24#16.1
Board_15-/SPI1_MISO: IC1#16.16 J1#16.4
Board_15-/SPI1_MOSI: IC1#16.15 J1#16.3
Board_15-/SPI1_SCK: IC1#16.14 J1#16.2
Board_15-/U: C14#16.1 U3#16.3
Board_15-/UH: IC1#16.17 J3#16.6
Board_15-/UL: IC1#16.18 J3#16.5
Board_15-/V: C12#16.1 U3#16.2
Board_15-/VH: IC1#16.20 J3#16.4
Board_15-/VL: IC1#16.21 J3#16.3
Board_15-/VSA: C18#16.1 IC1#16.29
Board_15-/W: C11#16.1 U3#16.1
Board_15-/WH: IC1#16.22 J3#16.2
Board_15-/WL: IC1#16.23 J3#16.1
Board_15-/~{CS_DRIVER}: IC1#16.13 J1#16.1
Board_15-GND: C3#16.2 C7#16.2 C8#16.2 C9#16.2 C10#16.2 C11#16.2 C12#16.2 C13#16.2 C14#16.2 C15#16.2 C16#16.2 C17#16.2 C18#16.2 C19#16.2 C20#16.2 D1#16.1 D2#16.1 H201#16.1 H202#16.1 IC1#16.8 IC1#16.EPAD J2#16.2 J5#16.2 Q2#16.5 Q2#16.6 Q2#16.7 Q2#16.8 Q4#16.5 Q4#16.6 Q4#16.7 Q4#16.8 Q6#16.5 Q6#16.6 Q6#16.7 Q6#16.8 R18#16.2 R22#16.2 R24#16.2 R26#16.2 U2#16.1
Board_15-Net-(C1-Pad1): C1#16.1 IC1#16.30
Board_15-Net-(C1-Pad2): C1#16.2 IC1#16.32
Board_15-Net-(C2-Pad2): C2#16.2 IC1#16.34
Board_15-Net-(C4-Pad1): C4#16.1 IC1#16.47 Q1#16.5 Q1#16.6 Q1#16.7 Q1#16.8 Q2#16.1 Q2#16.2 Q2#16.3 R7#16.2 R8#16.2
Board_15-Net-(C4-Pad2): C4#16.2 IC1#16.1
Board_15-Net-(C5-Pad1): C5#16.1 IC1#16.36
Board_15-Net-(C5-Pad2): C5#16.2 IC1#16.38 Q3#16.5 Q3#16.6 Q3#16.7 Q3#16.8 Q4#16.1 Q4#16.2 Q4#16.3 R9#16.2 R10#16.2
Board_15-Net-(C6-Pad1): C6#16.1 IC1#16.42 Q5#16.5 Q5#16.6 Q5#16.7 Q5#16.8 Q6#16.1 Q6#16.2 Q6#16.3 R14#16.2 R15#16.2
Board_15-Net-(C6-Pad2): C6#16.2 IC1#16.44
Board_15-Net-(C17-Pad1): C17#16.1 J5#16.1 R17#16.2 R18#16.1
Board_15-Net-(D1-Pad2): D1#16.2 R19#16.1
Board_15-Net-(D2-Pad2): D2#16.2 R20#16.1
Board_15-Net-(IC1-Pad3): IC1#16.3 R6#16.2
Board_15-Net-(IC1-Pad4): IC1#16.4 R13#16.2
Board_15-Net-(IC1-Pad5): IC1#16.5 R3#16.2
Board_15-Net-(IC1-Pad24): IC1#16.24 R26#16.1
Board_15-Net-(IC1-Pad26): IC1#16.26
Board_15-Net-(IC1-Pad37): IC1#16.37 R4#16.2
Board_15-Net-(IC1-Pad39): IC1#16.39 R5#16.2
Board_15-Net-(IC1-Pad41): IC1#16.41 R12#16.2
Board_15-Net-(IC1-Pad43): IC1#16.43 R11#16.2
Board_15-Net-(IC1-Pad46): IC1#16.46 R2#16.2
Board_15-Net-(IC1-Pad48): IC1#16.48 R1#16.2
Board_15-Net-(Q1-Pad4): Q1#16.4 R1#16.1
Board_15-Net-(Q2-Pad4): Q2#16.4 R3#16.1
Board_15-Net-(Q3-Pad4): Q3#16.4 R4#16.1
Board_15-Net-(Q4-Pad4): Q4#16.4 R6#16.1
Board_15-Net-(Q5-Pad4): Q5#16.4 R11#16.1
Board_15-Net-(Q6-Pad4): Q6#16.4 R13#16.1
Board_15-Net-(R2-Pad1): R2#16.1 R7#16.1 R8#16.1
Board_15-Net-(R10-Pad1): R5#16.1 R9#16.1 R10#16.1
Board_15-Net-(R12-Pad1): R12#16.1 R14#16.1 R15#16.1
Board_15-Net-(R16-Pad1): R16#16.1